# Altium PCB PCB1-nano-withlogo-SMT.PcbDoc (part 2 of 5) (continued)
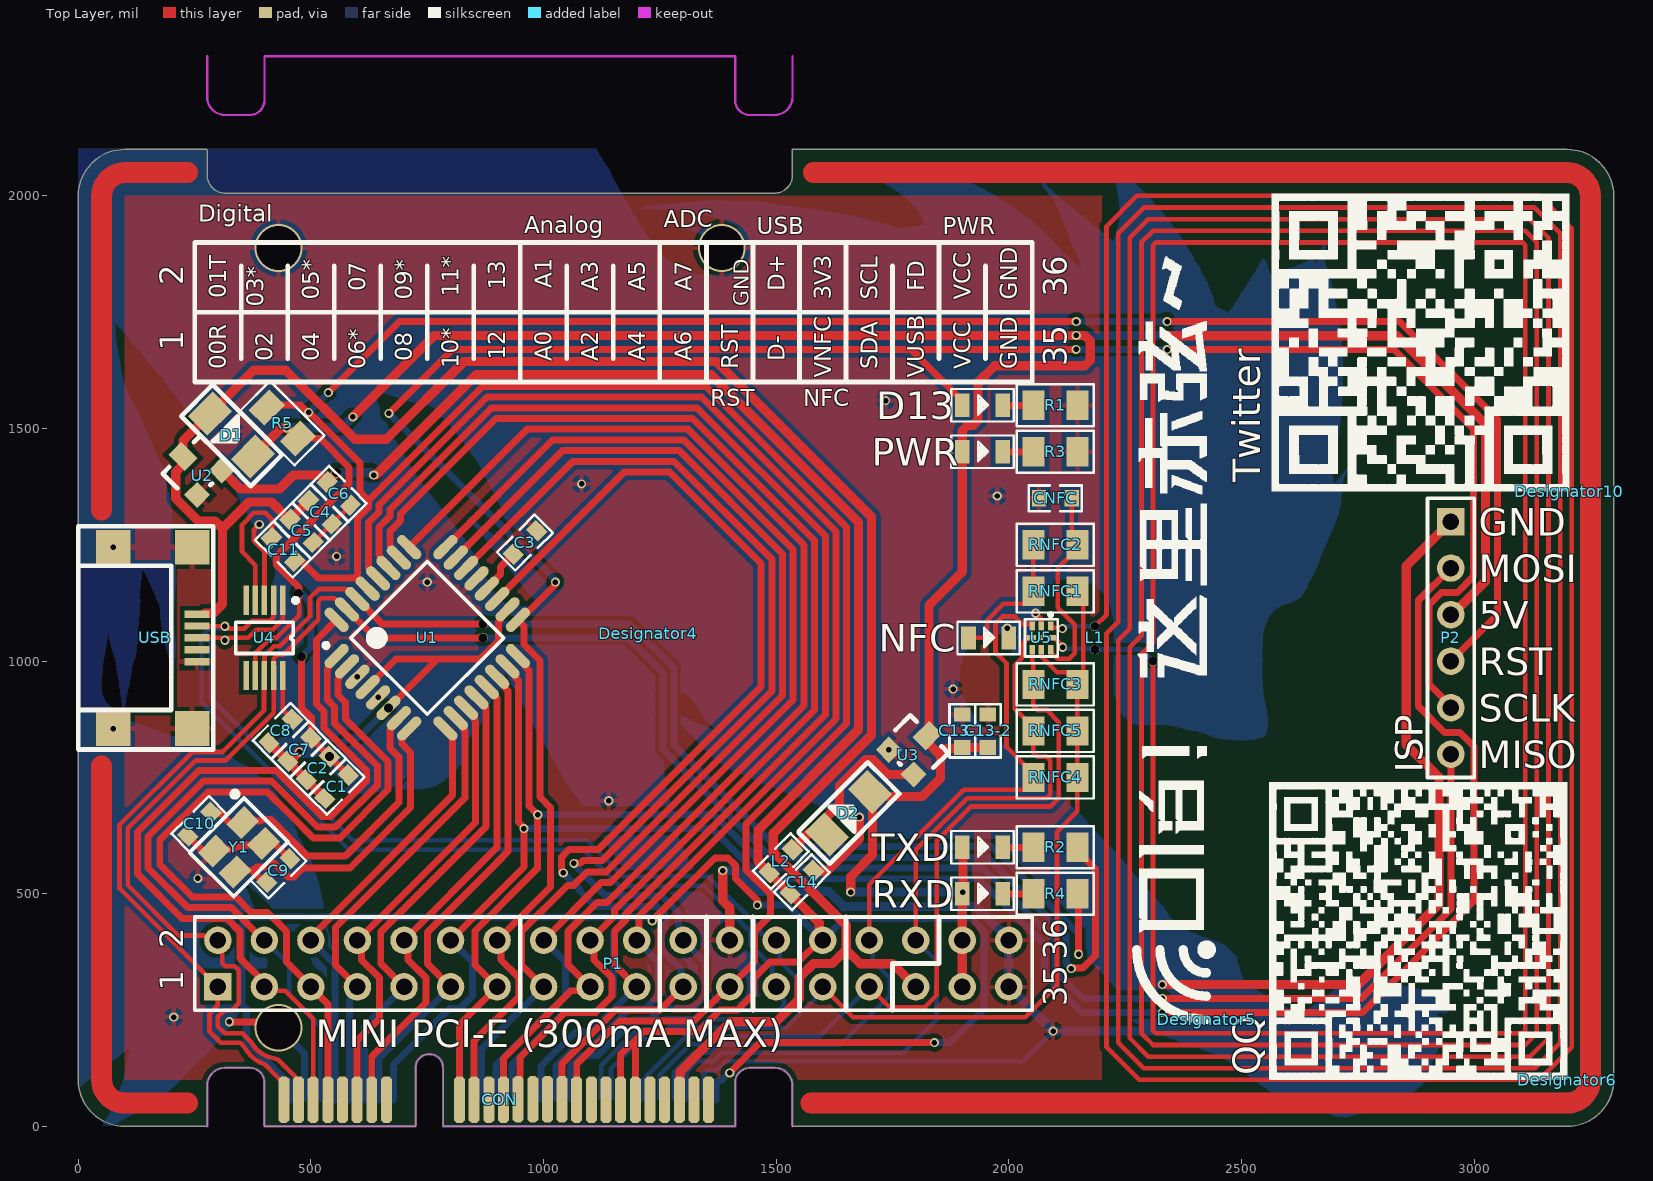
[diagram p0: Top Layer view]
## Nets (pads, with @x,y where several pads share a name; then routed paths per layer and width w, separated by ;. In a path a pad name is that pad's centre, name@x,y a point inside that pad or via, vN(x,y) a via of type N, cw(c..) or ccw(c..) an arc to the next point about the centre after c; other vN are vias at no path point) (continued)
 ; 0,1310 202,1310 ; 0,1311 202,1311 ; 0,1312 202,1312 ; 0,1313 201,1313 ; 0,1314 201,1314 ; 0,1315 201,1315 ; 0,1316 201,1316 ; 0,1317 201,1317 ; 0,1318 201,1318 ; 0,1319 201,1319 ; 0,1320 201,1320 ; 0,1321 201,1321 ; 0,1322 201,1322 ; 0,1323 201,1323 ; 0,1324 201,1324 ; 0,1325 201,1325 ; 0,1326 201,1326 ; 0,1327 200,1327 ; 0,1328 200,1328 ; 0,1329 200,1329 ; 0,1330 200,1330 ; 0,1331 200,1331 ; 0,1332 200,1332 ; 0,1333 200,1333 ; 0,1334 199,1334 ; 0,1335 199,1335 ; 0,1336 199,1336 ; 0,1337 199,1337 ; 0,1338 199,1338 ; 0,1339 198,1339 ; 0,1340 198,1340 ; 0,1341 198,1341 ; 0,1342 198,1342 ; 0,1343 198,1343 ; 0,1344 197,1344 ; 0,1345 197,1345 ; 0,1346 197,1346 ; 0,1347 197,1347 ; 0,1348 197,1348 ; 0,1349 196,1349 ; 0,1350 196,1350 ; 0,1351 196,1351 ; 0,1352 196,1352 ; 0,1353 195,1353 ; 0,1354 195,1354 ; 0,1355 195,1355 ; 0,1356 195,1356 ; 0,1357 195,1357 ; 0,1358 194,1358 ; 0,1359 194,1359 ; 0,1360 194,1360 ; 0,1361 194,1361 ; 0,1362 193,1362 ; 0,1363 193,1363 ; 0,1364 193,1364 ; 0,1365 192,1365 ; 0,1366 192,1366 ; 0,1367 192,1367 ; 0,1368 192,1368 ; 0,1369 191,1369 ; 0,1370 191,1370 ; 0,1371 191,1371 ; 0,1372 191,1372 ; 0,1373 191,1373 ; 0,1374 190,1374 ; 0,1375 190,1375 ; 0,1376 190,1376 ; 0,1377 190,1377 ; 0,1378 190,1378 ; 0,1379 190,1379 ; 0,1380 189,1380 ; 0,1381 189,1381 ; 0,1382 189,1382 ; 0,1383 189,1383 ; 0,1384 189,1384 ; 0,1385 188,1385 ; 0,1386 188,1386 ; 0,1387 188,1387 ; 0,1388 188,1388 ; 0,1389 188,1389 ; 0,1390 187,1390 ; 0,1391 187,1391 ; 0,1392 187,1392 ; 0,1393 187,1393 ; 0,1394 187,1394 ; 0,1395 186,1395 ; 0,1396 186,1396 ; 0,1397 186,1397 ; 0,1398 186,1398 ; 0,1399 186,1399 ; 0,1400 185,1400 ; 0,1401 185,1401 ; 0,1402 185,1402 ; 0,1403 185,1403 ; 0,1404 184,1404 ; 0,1405 184,1405 ; 0,1406 184,1406 ; 0,1407 183,1407 ; 0,1408 183,1408 ; 0,1409 183,1409 ; 0,1410 183,1410 ; 0,1411 182,1411 ; 0,1412 182,1412 ; 0,1413 182,1413 ; 0,1414 181,1414 ; 0,1415 181,1415 ; 0,1416 181,1416 ; 0,1417 180,1417 ; 0,1418 180,1418 ; 0,1419 180,1419 ; 0,1420 179,1420 ; 0,1421 179,1421 ; 0,1422 178,1422 ; 0,1423 178,1423 ; 0,1424 178,1424 ; 0,1425 177,1425 ; 0,1426 177,1426 ; 0,1427 176,1427 ; 0,1428 176,1428 ; 0,1429 175,1429 ; 0,1430 175,1430 ; 0,1431 175,1431 ; 0,1432 174,1432 ; 0,1433 174,1433 ; 0,1434 173,1434 ; 0,1435 173,1435 ; 0,1436 172,1436 ; 0,1437 172,1437 ; 0,1438 171,1438 ; 0,1439 171,1439 ; 0,1440 170,1440 ; 0,1441 170,1441 ; 0,1442 169,1442 ; 0,1443 169,1443 ; 0,1444 168,1444 ; 0,1445 168,1445 ; 0,1446 168,1446 ; 0,1447 167,1447 ; 0,1448 167,1448 ; 0,1449 166,1449 ; 0,1450 166,1450 ; 0,1451 165,1451 ; 0,1452 165,1452 ; 0,1453 164,1453 ; 0,1454 164,1454 ; 0,1455 163,1455 ; 0,1456 163,1456 ; 0,1457 163,1457 ; 0,1458 162,1458 ; 0,1459 162,1459 ; 0,1460 161,1460 ; 0,1461 161,1461 ; 0,1462 160,1462 ; 0,1463 160,1463 ; 0,1464 160,1464 ; 0,1465 159,1465 ; 0,1466 159,1466 ; 0,1467 158,1467 ; 0,1468 158,1468 ; 0,1469 158,1469 ; 0,1470 157,1470 ; 0,1471 157,1471 ; 0,1472 156,1472 ; 0,1473 156,1473 ; 0,1474 155,1474 ; 0,1475 155,1475 ; 0,1476 155,1476 ; 0,1477 154,1477 ; 0,1478 154,1478 ; 0,1479 153,1479 ; 0,1480 153,1480 ; 0,1481 152,1481 ; 0,1482 152,1482 ; 0,1483 152,1483 ; 0,1484 151,1484 ; 0,1485 151,1485 ; 0,1486 150,1486 ; 0,1487 150,1487 ; 0,1488 149,1488 ; 0,1489 149,1489 ; 0,1490 149,1490 ; 0,1491 148,1491 ; 0,1492 148,1492 ; 0,1493 147,1493 ; 0,1494 147,1494 ; 0,1495 146,1495 ; 0,1496 146,1496 ; 0,1497 146,1497 ; 0,1498 145,1498 ; 0,1499 145,1499 ; 0,1500 144,1500 ; 0,1501 144,1501 ; 0,1502 143,1502 ; 0,1503 143,1503 ; 0,1504 142,1504 ; 0,1505 142,1505 ; 0,1506 141,1506 ; 0,1507 141,1507 ; 0,1508 141,1508 ; 0,1509 140,1509 ; 0,1510 140,1510 ; 0,1511 139,1511 ; 0,1512 139,1512 ; 0,1513 138,1513 ; 0,1514 138,1514 ; 0,1515 138,1515 ; 0,1516 137,1516 ; 0,1517 137,1517 ; 0,1518 136,1518 ; 0,1519 136,1519 ; 0,1520 135,1520 ; 0,1521 135,1521 ; 0,1522 135,1522 ; 0,1523 134,1523 ; 0,1524 134,1524 ; 0,1525 133,1525 ; 0,1526 133,1526 ; 0,1527 132,1527 ; 0,1528 132,1528 ; 0,1529 132,1529 ; 0,1530 131,1530 ; 0,1531 131,1531 ; 0,1532 130,1532 ; 0,1533 130,1533 ; 0,1534 129,1534 ; 0,1535 129,1535 ; 0,1536 128,1536 ; 0,1537 128,1537 ; 0,1538 127,1538 ; 0,1539 127,1539 ; 0,1540 126,1540 ; 0,1541 126,1541 ; 0,1542 125,1542 ; 0,1543 124,1543 ; 0,1544 124,1544 ; 0,1545 123,1545 ; 0,1546 123,1546 ; 0,1547 122,1547 ; 0,1548 122,1548 ; 0,1549 121,1549 ; 0,1550 121,1550 ; 0,1551 120,1551 ; 0,1552 119,1552 ; 0,1553 119,1553 ; 0,1554 118,1554 ; 0,1555 118,1555 ; 0,1556 117,1556 ; 0,1557 116,1557 ; 0,1558 116,1558 ; 0,1559 115,1559 ; 0,1560 115,1560 ; 0,1561 114,1561 ; 0,1562 114,1562 ; 0,1563 113,1563 ; 0,1564 112,1564 ; 0,1565 112,1565 ; 0,1566 111,1566 ; 0,1567 111,1567 ; 0,1568 110,1568 ; 0,1569 110,1569 ; 0,1570 109,1570 ; 0,1571 109,1571 ; 0,1572 108,1572 ; 0,1573 108,1573 ; 0,1574 107,1574 ; 0,1575 107,1575 ; 0,1576 106,1576 ; 0,1577 106,1577 ; 0,1578 106,1578 ; 0,1579 106,1579 ; 0,1580 105,1580 ; 0,1581 105,1581 ; 0,1582 104,1582 ; 0,1583 104,1583 ; 0,1584 103,1584 ; 0,1585 103,1585 ; 0,1586 103,1586 ; 0,1587 102,1587 ; 0,1588 102,1588 ; 0,1589 102,1589 ; 0,1590 101,1590 ; 0,1591 101,1591 ; 0,1592 100,1592 ; 0,1593 100,1593 ; 0,1594 100,1594 ; 0,1595 99,1595 ; 0,1596 99,1596 ; 0,1597 99,1597 ; 0,1598 98,1598 ; 0,1599 98,1599 ; 0,1600 98,1600 ; 0,1601 98,1601 ; 0,1602 97,1602 ; 0,1603 97,1603 ; 0,1604 96,1604 ; 0,1605 96,1605 ; 0,1606 96,1606 ; 0,1607 95,1607 ; 0,1608 95,1608 ; 0,1609 95,1609 ; 0,1610 95,1610 ; 0,1611 94,1611 ; 0,1612 94,1612 ; 0,1613 94,1613 ; 0,1614 94,1614 ; 0,1615 94,1615 ; 0,1616 93,1616 ; 0,1617 93,1617 ; 0,1618 93,1618 ; 0,1619 93,1619 ; 0,1620 93,1620 ; 0,1621 93,1621 ; 0,1622 93,1622 ; 0,1623 92,1623 ; 0,1624 92,1624 ; 0,1625 92,1625 ; 0,1626 92,1626 ; 0,1627 92,1627 ; 0,1628 91,1628 ; 0,1629 91,1629 ; 0,1630 91,1630 ; 0,1631 91,1631 ; 0,1632 91,1632 ; 0,1633 91,1633 ; 0,1634 90,1634 ; 0,1635 90,1635 ; 0,1636 90,1636 ; 0,1637 90,1637 ; 0,1638 90,1638 ; 0,1639 90,1639 ; 0,1640 90,1640 ; 0,1641 90,1641 ; 0,1642 89,1642 ; 0,1643 89,1643 ; 0,1644 89,1644 ; 0,1645 89,1645 ; 0,1646 89,1646 ; 0,1647 89,1647 ; 0,1648 88,1648 ; 0,1649 88,1649 ; 0,1650 88,1650 ; 0,1651 88,1651 ; 0,1652 88,1652 ; 0,1653 88,1653 ; 0,1654 88,1654 ; 0,1655 87,1655 ; 0,1656 87,1656 ; 0,1657 87,1657 ; 0,1658 87,1658 ; 0,1659 87,1659 ; 0,1660 86,1660 ; 0,1661 86,1661 ; 0,1662 86,1662 ; 0,1663 86,1663 ; 0,1664 86,1664 ; 0,1665 86,1665 ; 0,1666 85,1666 ; 0,1667 85,1667 ; 0,1668 85,1668 ; 0,1669 85,1669 ; 0,1670 85,1670 ; 0,1671 85,1671 ; 0,1672 84,1672 ; 0,1673 84,1673 ; 0,1674 84,1674 ; 0,1675 84,1675 ; 0,1676 84,1676 ; 0,1677 83,1677 ; 0,1678 83,1678 ; 0,1679 83,1679 ; 0,1680 83,1680 ; 0,1681 83,1681 ; 0,1682 82,1682 ; 0,1683 82,1683 ; 0,1684 82,1684 ; 0,1685 82,1685 ; 0,1686 82,1686 ; 0,1687 82,1687 ; 0,1688 82,1688 ; 0,1689 81,1689 ; 0,1690 81,1690 ; 0,1691 81,1691 ; 0,1692 81,1692 ; 0,1693 81,1693 ; 0,1694 81,1694 ; 0,1695 81,1695 ; 0,1696 80,1696 ; 0,1697 80,1697 ; 0,1698 80,1698 ; 0,1699 80,1699 ; 0,1700 80,1700 ; 0,1701 80,1701 ; 0,1702 80,1702 ; 0,1703 80,1703 ; 0,1704 80,1704 ; 0,1705 80,1705 ; 0,1706 80,1706 ; 0,1707 79,1707 ; 0,1708 79,1708 ; 0,1709 79,1709 ; 0,1710 79,1710 ; 0,1711 79,1711 ; 0,1712 79,1712 ; 0,1713 79,1713 ; 0,1714 79,1714 ; 0,1715 79,1715 ; 0,1716 79,1716 ; 0,1717 79,1717 ; 0,1718 79,1718 ; 0,1719 79,1719 ; 0,1720 79,1720 ; 0,1721 78,1721 ; 0,1722 78,1722 ; 0,1723 78,1723 ; 0,1724 78,1724 ; 0,1725 78,1725 ; 0,1726 79,1726 ; 0,1727 79,1727 ; 0,1728 2125,1728 ; 0,1729 2125,1729 ; 0,1730 2125,1730 ; 0,1731 2125,1731 ; 0,1732 2125,1732 ; 0,1733 2125,1733 ; 0,1734 2125,1734 ; 0,1735 2125,1735 ; 0,1736 2125,1736 ; 0,1737 2125,1737 ; 0,1738 2125,1738 ; 0,1739 2126,1739 ; 0,1740 2126,1740 ; 0,1741 2126,1741 ; 0,1742 2127,1742 ; 0,1743 2128,1743 ; 0,1744 2128,1744 ; 0,1745 2129,1745 ; 0,1746 2130,1746 ; 0,1747 2131,1747 ; 0,1748 2132,1748 ; 0,1749 2133,1749 ; 0,1750 2135,1750 ; 0,1751 2138,1751 ; 0,1752 2465,1752 ; 0,1753 2463,1753 ; 0,1754 2461,1754 ; 0,1755 2459,1755 ; 0,1756 2458,1756 ; 0,1757 2456,1757 ; 0,1758 2454,1758 ; 0,1759 2452,1759 ; 0,1760 2451,1760 ; 0,1761 2449,1761 ; 0,1762 2447,1762 ; 0,1763 2446,1763 ; 0,1764 2444,1764 ; 0,1765 2444,1765 ; 0,1766 2443,1766 ; 0,1767 2443,1767 ; 0,1768 2443,1768 ; 0,1769 2442,1769 ; 0,1770 2442,1770 ; 0,1771 2442,1771 ; 0,1772 2441,1772 ; 0,1773 2441,1773 ; 0,1774 2441,1774 ; 0,1775 2440,1775 ; 0,1776 2440,1776 ; 0,1777 2440,1777 ; 0,1778 2439,1778 ; 0,1779 2439,1779 ; 0,1780 2439,1780 ; 0,1781 2439,1781 ; 0,1782 2438,1782 ; 0,1783 2438,1783 ; 0,1784 2438,1784 ; 0,1785 2438,1785 ; 0,1786 2437,1786 ; 0,1787 2437,1787 ; 0,1788 2436,1788 ; 0,1789 2436,1789 ; 0,1790 2436,1790 ; 0,1791 2435,1791 ; 0,1792 2435,1792 ; 0,1793 2435,1793 ; 0,1794 2434,1794 ; 0,1795 2434,1795 ; 0,1796 2434,1796 ; 0,1797 2433,1797 ; 0,1798 2433,1798 ; 0,1799 2432,1799 ; 0,1800 2432,1800 ; 0,1801 2431,1801 ; 0,1802 2431,1802 ; 0,1803 2431,1803 ; 0,1804 2430,1804 ; 0,1805 2430,1805 ; 0,1806 2430,1806 ; 0,1807 2429,1807 ; 0,1808 2429,1808 ; 0,1809 2429,1809 ; 0,1810 2428,1810 ; 0,1811 2428,1811 ; 0,1812 2427,1812 ; 0,1813 2427,1813 ; 0,1814 2427,1814 ; 0,1815 2426,1815 ; 0,1816 2425,1816 ; 0,1817 2425,1817 ; 0,1818 2424,1818 ; 0,1819 2424,1819 ; 0,1820 2423,1820 ; 0,1821 2422,1821 ; 0,1822 2422,1822 ; 0,1823 2421,1823 ; 0,1824 2421,1824 ; 0,1825 2420,1825 ; 0,1826 2420,1826 ; 0,1827 2419,1827 ; 0,1828 2418,1828 ; 0,1829 2418,1829 ; 0,1830 2417,1830 ; 0,1831 2417,1831 ; 0,1832 1338,1832 ; 0,1833 1328,1833 ; 0,1834 1322,1834 ; 0,1835 1318,1835 ; 0,1836 1315,1836 ; 0,1837 1312,1837 ; 0,1838 1310,1838 ; 0,1839 1307,1839 ; 0,1840 1305,1840 ; 0,1841 1303,1841 ; 0,1842 1301,1842 ; 0,1843 1299,1843 ; 0,1844 1297,1844 ; 0,1845 1295,1845 ; 0,1846 1293,1846 ; 0,1847 1291,1847 ; 0,1848 1289,1848 ; 0,1849 1287,1849 ; 0,1850 1286,1850 ; 0,1851 1284,1851 ; 0,1852 1282,1852 ; 0,1853 1280,1853 ; 0,1854 1279,1854 ; 0,1855 1277,1855 ; 0,1856 1276,1856 ; 0,1857 1274,1857 ; 0,1858 1273,1858 ; 0,1859 1272,1859 ; 0,1860 1270,1860 ; 0,1861 1269,1861 ; 0,1862 1267,1862 ; 0,1863 1266,1863 ; 0,1864 1265,1864 ; 0,1865 1263,1865 ; 0,1866 1262,1866 ; 0,1867 1261,1867 ; 0,1868 1260,1868 ; 0,1869 1259,1869 ; 0,1870 1258,1870 ; 0,1871 1257,1871 ; 0,1872 1256,1872 ; 0,1873 1255,1873 ; 0,1874 1255,1874 ; 0,1875 1254,1875 ; 0,1876 1253,1876 ; 0,1877 1252,1877 ; 0,1878 1252,1878 ; 0,1879 1251,1879 ; 0,1880 1250,1880 ; 0,1881 1250,1881 ; 0,1882 1249,1882 ; 0,1883 1248,1883 ; 0,1884 1248,1884 ; 0,1885 1247,1885 ; 0,1886 1246,1886 ; 0,1887 1245,1887 ; 0,1888 1244,1888 ; 0,1889 1243,1889 ; 0,1890 1242,1890 ; 0,1891 1241,1891 ; 0,1892 1240,1892 ; 0,1893 1239,1893 ; 0,1894 1238,1894 ; 0,1895 1237,1895 ; 0,1896 1236,1896 ; 0,1897 1236,1897 ; 0,1898 1235,1898 ; 0,1899 1234,1899 ; 0,1900 1233,1900 ; 0,1901 1233,1901 ; 0,1902 1232,1902 ; 0,1903 1231,1903 ; 0,1904 1230,1904 ; 0,1905 1229,1905 ; 0,1906 1228,1906 ; 0,1907 1228,1907 ; 0,1908 1227,1908 ; 0,1909 1226,1909 ; 0,1910 1226,1910 ; 0,1911 1225,1911 ; 0,1912 1224,1912 ; 0,1913 1224,1913 ; 0,1914 1223,1914 ; 0,1915 1222,1915 ; 0,1916 1221,1916 ; 0,1917 1221,1917 ; 0,1918 1220,1918 ; 0,1919 1220,1919 ; 0,1920 1219,1920 ; 0,1921 1218,1921 ; 0,1922 1218,1922 ; 0,1923 1217,1923 ; 0,1924 1217,1924 ; 0,1925 1216,1925 ; 0,1926 1215,1926 ; 0,1927 1215,1927 ; 0,1928 1214,1928 ; 0,1929 1214,1929 ; 0,1930 1213,1930 ; 0,1931 1212,1931 ; 0,1932 1211,1932 ; 0,1933 1211,1933 ; 0,1934 1210,1934 ; 0,1935 1209,1935 ; 0,1936 1208,1936 ; 0,1937 1208,1937 ; 0,1938 1207,1938 ; 0,1939 1207,1939 ; 0,1940 1206,1940 ; 0,1941 1205,1941 ; 0,1942 1205,1942 ; 0,1943 1204,1943 ; 0,1944 1203,1944 ; 0,1945 1203,1945 ; 0,1946 1202,1946 ; 0,1947 1202,1947 ; 0,1948 1201,1948 ; 0,1949 1200,1949 ; 0,1950 1200,1950 ; 0,1951 1199,1951 ; 0,1952 1198,1952 ; 0,1953 1198,1953 ; 0,1954 1197,1954 ; 0,1955 1196,1955 ; 0,1956 1196,1956 ; 0,1957 1195,1957 ; 0,1958 1194,1958 ; 0,1959 1194,1959 ; 0,1960 1193,1960 ; 0,1961 1192,1961 ; 0,1962 1192,1962 ; 0,1963 1191,1963 ; 0,1964 1191,1964 ; 0,1965 1190,1965 ; 0,1966 1190,1966 ; 0,1967 1189,1967 ; 0,1968 1189,1968 ; 0,1969 1188,1969 ; 0,1970 1188,1970 ; 0,1971 1187,1971 ; 0,1972 1187,1972 ; 0,1973 1186,1973 ; 0,1974 1186,1974 ; 0,1975 1185,1975 ; 0,1976 1185,1976 ; 0,1977 1184,1977 ; 0,1978 1184,1978 ; 0,1979 1183,1979 ; 0,1980 1183,1980 ; 0,1981 1182,1981 ; 0,1982 1182,1982 ; 0,1983 1181,1983 ; 0,1984 1180,1984 ; 0,1985 1180,1985 ; 0,1986 1179,1986 ; 0,1987 1179,1987 ; 0,1988 1178,1988 ; 0,1989 1177,1989 ; 0,1990 1177,1990 ; 0,1991 1176,1991 ; 0,1992 1175,1992 ; 0,1993 1175,1993 ; 0,1994 1174,1994 ; 0,1995 1174,1995 ; 0,1996 1173,1996 ; 0,1997 1173,1997 ; 0,1998 1172,1998 ; 0,1999 1172,1999 ; 0,2000 1171,2000 ; 0,2001 1170,2001 ; 0,2002 1170,2002 ; 0,2003 1169,2003 ; 0,2004 1169,2004 ; 0,2005 1168,2005 ; 0,2006 1167,2006 ; 0,2007 1167,2007 ; 0,2008 1166,2008 ; 0,2009 1165,2009 ; 0,2010 1165,2010 ; 0,2011 1164,2011 ; 0,2012 1164,2012 ; 0,2013 1163,2013 ; 0,2014 1162,2014 ; 0,2015 1162,2015 ; 0,2016 1161,2016 ; 0,2017 1161,2017 ; 0,2018 1160,2018 ; 0,2019 1160,2019 ; 0,2020 1159,2020 ; 0,2021 1159,2021 ; 0,2022 1158,2022 ; 0,2023 1157,2023 ; 0,2024 1157,2024 ; 0,2025 1156,2025 ; 0,2026 1156,2026 ; 0,2027 1155,2027 ; 0,2028 1155,2028 ; 0,2029 1154,2029 ; 0,2030 1153,2030 ; 0,2031 1153,2031 ; 0,2032 1152,2032 ; 0,2033 1152,2033 ; 0,2034 1151,2034 ; 0,2035 1151,2035 ; 0,2036 1150,2036 ; 0,2037 1150,2037 ; 0,2038 1149,2038 ; 0,2039 1149,2039 ; 0,2040 1148,2040 ; 0,2041 1148,2041 ; 0,2042 1147,2042 ; 0,2043 1146,2043 ; 0,2044 1146,2044 ; 0,2045 1145,2045 ; 0,2046 1145,2046 ; 0,2047 1145,2047 ; 0,2048 1144,2048 ; 0,2049 1144,2049 ; 0,2050 1143,2050 ; 0,2051 1143,2051 ; 0,2052 1143,2052 ; 0,2053 1143,2053 ; 0,2054 1142,2054 ; 0,2055 1142,2055 ; 0,2056 1141,2056 ; 0,2057 1140,2057 ; 0,2058 1140,2058 ; 0,2059 1139,2059 ; 0,2060 1138,2060 ; 0,2061 1138,2061 ; 0,2062 1137,2062 ; 0,2063 1137,2063 ; 0,2064 1136,2064 ; 0,2065 1135,2065 ; 0,2066 1135,2066 ; 0,2067 1134,2067 ; 0,2068 1133,2068 ; 0,2069 1133,2069 ; 0,2070 1132,2070 ; 0,2071 1131,2071 ; 0,2072 1131,2072 ; 0,2073 1130,2073 ; 0,2074 1129,2074 ; 0,2075 1129,2075 ; 0,2076 1128,2076 ; 0,2077 1127,2077 ; 0,2078 1127,2078 ; 0,2079 1126,2079 ; 0,2080 1126,2080 ; 0,2081 1125,2081 ; 0,2082 1124,2082 ; 0,2083 1124,2083 ; 0,2084 1123,2084 ; 0,2085 1122,2085 ; 0,2086 1122,2086 ; 0,2087 1121,2087 ; 0,2088 1120,2088 ; 0,2089 1120,2089 ; 0,2090 1119,2090 ; 0,2091 1119,2091 ; 0,2092 1118,2092 ; 0,2093 1117,2093 ; 0,2094 1117,2094 ; 0,2095 1116,2095 ; 0,2096 1116,2096 ; 0,2097 1115,2097 ; 0,2098 1115,2098 ; 0,2099 1115,2099 ; 0,2100 1114,2100 ; 0,2101 1114,2101 ; 52,2 74,2 ; 53,3 75,3 ; 53,4 77,4 ; 54,5 78,5 ; 54,6 80,6 ; 55,7 82,7 ; 55,8 84,8 ; 56,9 85,9 ; 56,10 87,10 ; 57,11 88,11 ; 58,12 90,12 ; 58,13 92,13 ; 59,14 93,14 ; 59,15 95,15 ; 60,16 97,16 ; 61,17 99,17 ; 61,18 100,18 ; 62,19 102,19 ; 62,20 104,20 ; 63,21 106,21 ; 64,22 108,22 ; 64,23 109,23 ; 65,24 111,24 ; 65,25 113,25 ; 65,1057 128,1057 ; 66,26 116,26 ; 66,1053 128,1053 ; 66,1054 128,1054 ; 66,1055 128,1055 ; 66,1056 128,1056 ; 67,27 118,27 ; 67,28 120,28 ; 67,1050 128,1050 ; 67,1051 128,1051 ; 67,1052 128,1052 ; 68,29 122,29 ; 68,30 124,30 ; 68,1046 127,1046 ; 68,1047 128,1047 ; 68,1048 128,1048 ; 68,1049 128,1049 ; 69,31 126,31 ; 69,1042 127,1042 ; 69,1043 127,1043 ; 69,1044 127,1044 ; 69,1045 127,1045 ; 70,32 129,32 ; 70,33 131,33 ; 70,1037 127,1037 ; 70,1038 127,1038 ; 70,1039 127,1039 ; 70,1040 127,1040 ; 70,1041 127,1041 ; 71,34 133,34 ; 71,35 135,35 ; 71,1033 126,1033 ; 71,1034 126,1034 ; 71,1035 126,1035 ; 71,1036 126,1036 ; 72,36 137,36 ; 72,37 139,37 ; 72,1029 126,1029 ; 72,1030 126,1030 ; 72,1031 126,1031 ; 72,1032 126,1032 ; 73,38 141,38 ; 73,39 142,39 ; 73,1025 125,1025 ; 73,1026 125,1026 ; 73,1027 125,1027 ; 73,1028 126,1028 ; 74,40 144,40 ; 74,41 145,41 ; 74,1021 124,1021 ; 74,1022 124,1022 ; 74,1023 125,1023 ; 74,1024 125,1024 ; 75,42 147,42 ; 75,43 148,43 ; 75,1018 123,1018 ; 75,1019 124,1019 ; 75,1020 124,1020 ; 76,44 149,44 ; 76,45 151,45 ; 76,1015 123,1015 ; 76,1016 123,1016 ; 76,1017 123,1017 ; 77,46 152,46 ; 77,47 153,47 ; 77,48 155,48 ; 77,1012 122,1012 ; 77,1013 122,1013 ; 77,1014 122,1014 ; 78,49 156,49 ; 78,50 157,50 ; 78,1008 121,1008 ; 78,1009 121,1009 ; 78,1010 122,1010 ; 78,1011 122,1011 ; 79,51 159,51 ; 79,52 160,52 ; 79,53 161,53 ; 79,1004 120,1004 ; 79,1005 120,1005 ; 79,1006 120,1006 ; 79,1007 121,1007 ; 80,54 163,54 ; 80,55 164,55 ; 80,56 165,56 ; 80,1000 118,1000 ; 80,1001 119,1001 ; 80,1002 119,1002 ; 80,1003 119,1003 ; 80,1727 2125,1727 ; 81,57 167,57 ; 81,58 168,58 ; 81,59 169,59 ; 81,996 117,996 ; 81,997 117,997 ; 81,998 118,998 ; 81,999 118,999 ; 81,1726 2126,1726 ; 82,60 171,60 ; 82,61 172,61 ; 82,62 174,62 ; 82,990 116,990 ; 82,991 116,991 ; 82,992 116,992 ; 82,993 116,993 ; 82,994 116,994 ; 82,995 117,995 ; 82,1725 2126,1725 ; 83,63 175,63 ; 83,64 177,64 ; 83,65 178,65 ; 83,982 115,982 ; 83,983 115,983 ; 83,984 115,984 ; 83,985 115,985 ; 83,986 115,986 ; 83,987 115,987 ; 83,988 115,988 ; 83,989 116,989 ; 83,1724 2126,1724 ; 84,66 179,66 ; 84,67 181,67 ; 84,976 114,976 ; 84,977 114,977 ; 84,978 114,978 ; 84,979 114,979 ; 84,980 115,980 ; 84,981 115,981 ; 84,1723 2127,1723 ; 85,68 182,68 ; 85,69 184,69 ; 85,70 185,70 ; 85,971 113,971 ; 85,972 113,972 ; 85,973 114,973 ; 85,974 114,974 ; 85,975 114,975 ; 85,1722 2127,1722 ; 86,71 187,71 ; 86,72 188,72 ; 86,965 112,965 ; 86,966 112,966 ; 86,967 113,967 ; 86,968 113,968 ; 86,969 113,969 ; 86,970 113,970 ; 86,1721 2128,1721 ; 87,73 189,73 ; 87,74 191,74 ; 87,75 192,75 ; 87,960 111,960 ; 87,961 111,961 ; 87,962 112,962 ; 87,963 112,963 ; 87,964 112,964 ; 87,1720 2129,1720 ; 88,76 193,76 ; 88,77 195,77 ; 88,78 196,78 ; 88,949 108,949 ; 88,950 109,950 ; 88,951 109,951 ; 88,952 109,952 ; 88,953 109,953 ; 88,954 110,954 ; 88,955 110,955 ; 88,956 110,956 ; 88,957 110,957 ; 88,958 111,958 ; 88,959 111,959 ; 88,1719 2130,1719 ; 89,79 197,79 ; 89,80 198,80 ; 89,81 199,81 ; 89,942 107,942 ; 89,943 107,943 ; 89,944 107,944 ; 89,945 107,945 ; 89,946 108,946 ; 89,947 108,947 ; 89,948 108,948 ; 89,1718 2131,1718 ; 90,82 201,82 ; 90,83 202,83 ; 90,84 203,84 ; 90,935 105,935 ; 90,936 105,936 ; 90,937 105,937 ; 90,938 105,938 ; 90,939 106,939 ; 90,940 106,940 ; 90,941 106,941 ; 90,1717 2131,1717 ; 91,85 204,85 ; 91,86 205,86 ; 91,87 206,87 ; 91,926 104,926 ; 91,927 104,927 ; 91,928 104,928 ; 91,929 104,929 ; 91,930 104,930 ; 91,931 105,931 ; 91,932 105,932 ; 91,933 105,933 ; 91,934 105,934 ; 91,1716 2130,1716 ; 92,88 207,88 ; 92,89 208,89 ; 92,923 103,923 ; 92,924 103,924 ; 92,925 104,925 ; 92,1714 2128,1714 ; 92,1715 2129,1715 ; 93,90 209,90 ; 93,91 210,91 ; 93,911 102,911 ; 93,912 102,912 ; 93,913 102,913 ; 93,914 102,914 ; 93,915 102,915 ; 93,916 102,916 ; 93,917 102,917 ; 93,918 102,918 ; 93,919 102,919 ; 93,920 102,920 ; 93,921 103,921 ; 93,922 103,922 ; 93,1713 2127,1713 ; 94,92 211,92 ; 94,93 212,93 ; 94,902 98,902 ; 94,903 98,903 ; 94,904 99,904 ; 94,905 100,905 ; 94,906 101,906 ; 94,907 101,907 ; 94,908 101,908 ; 94,909 102,909 ; 94,910 102,910 ; 94,1712 2127,1712 ; 95,94 213,94 ; 95,95 215,95 ; 95,96 216,96 ; 95,900 98,900 ; 95,901 98,901 ; 95,1711 2126,1711 ; 96,97 217,97 ; 96,98 218,98 ; 96,899 98,899 ; 96,1710 2126,1710 ; 97,99 218,99 ; 97,100 219,100 ; 97,101 220,101 ; 97,102 221,102 ; 97,1709 2126,1709 ; 98,103 222,103 ; 98,104 223,104 ; 98,105 224,105 ; 98,106 225,106 ; 98,1708 2125,1708 ; 99,107 226,107 ; 99,108 227,108 ; 99,109 228,109 ; 99,110 228,110 ; 99,111 229,111 ; 99,1707 2125,1707 ; 100,112 230,112 ; 100,113 231,113 ; 100,114 232,114 ; 100,115 233,115 ; 100,116 234,116 ; 100,1706 2125,1706 ; 101,117 235,117 ; 101,118 236,118 ; 101,119 236,119 ; 101,120 237,120 ; 101,121 238,121 ; 101,1704 2125,1704 ; 101,1705 2125,1705 ; 102,122 239,122 ; 102,123 240,123 ; 102,124 241,124 ; 102,125 242,125 ; 102,1703 2125,1703 ; 103,126 243,126 ; 103,127 244,127 ; 103,128 245,128 ; 103,129 246,129 ; 103,130 247,130 ; 103,1702 2125,1702 ; 104,131 248,131 ; 104,132 249,132 ; 104,133 250,133 ; 104,134 251,134 ; 104,135 253,135 ; 104,1701 2125,1701 ; 105,136 254,136 ; 105,137 255,137 ; 105,138 256,138 ; 105,139 257,139 ; 105,140 258,140 ; 105,1699 2125,1699 ; 105,1700 2125,1700 ; 106,141 259,141 ; 106,142 261,142 ; 106,143 262,143 ; 106,144 263,144 ; 106,145 264,145 ; 106,1698 2125,1698 ; 107,146 265,146 ; 107,147 266,147 ; 107,148 267,148 ; 107,149 268,149 ; 107,150 269,150 ; 107,1697 2125,1697 ; 108,151 271,151 ; 108,152 272,152 ; 108,153 273,153 ; 108,154 274,154 ; 108,155 275,155 ; 108,1695 2126,1695 ; 108,1696 2125,1696 ; 109,156 276,156 ; 109,157 276,157 ; 109,158 277,158 ; 109,159 278,159 ; 109,160 279,160 ; 109,1694 2126,1694 ; 110,161 280,161 ; 110,162 281,162 ; 110,163 282,163 ; 110,164 283,164 ; 110,1693 2127,1693 ; 111,165 284,165 ; 111,166 285,166 ; 111,167 286,167 ; 111,168 286,168 ; 111,1692 2127,1692 ; 112,169 287,169 ; 112,170 288,170 ; 112,1691 2128,1691 ; 113,1689 2129,1689 ; 113,1690 2128,1690 ; 114,1688 2130,1688 ; 115,1687 2131,1687 ; 116,1685 2129,1685 ; 116,1686 2130,1686 ; 117,1684 2128,1684 ; 118,1683 2127,1683 ; 119,1682 2126,1682 ; 120,1681 2126,1681 ; 121,1680 2126,1680 ; 122,1678 2125,1678 ; 122,1679 2125,1679 ; 123,1677 2125,1677 ; 124,1676 2125,1676 ; 125,1675 2125,1675 ; 126,1674 2125,1674 ; 127,1673 2125,1673 ; 128,1671 2125,1671 ; 128,1672 2125,1672 ; 129,1670 2125,1670 ; 130,1669 2125,1669 ; 131,1668 2125,1668 ; 132,1667 2125,1667 ; 133,1665 2125,1665 ; 133,1666 2125,1666 ; 134,1664 2125,1664 ; 135,1663 2126,1663 ; 136,1662 2126,1662 ; 137,1661 2127,1661 ; 138,1659 2129,1659 ; 138,1660 2128,1660 ; 139,1658 2130,1658 ; 140,1197 209,1197 ; 140,1657 2131,1657 ; 141,1195 209,1195 ; 141,1196 209,1196 ; 141,1656 2132,1656 ; 142,1193 209,1193 ; 142,1194 209,1194 ; 142,1654 2135,1654 ; 142,1655 2133,1655 ; 143,1191 209,1191 ; 143,1192 209,1192 ; 143,1653 2334,1653 ; 144,1189 209,1189 ; 144,1190 209,1190 ; 144,1652 2718,1652 ; 145,1187 209,1187 ; 145,1188 209,1188 ; 145,1651 2718,1651 ; 146,1185 209,1185 ; 146,1186 209,1186 ; 146,1650 2718,1650 ; 147,1183 209,1183 ; 147,1184 209,1184 ; 147,1648 2718,1648 ; 147,1649 2718,1649 ; 148,1181 210,1181 ; 148,1182 210,1182 ; 148,1647 2718,1647 ; 149,1179 210,1179 ; 149,1180 210,1180 ; 149,1646 2718,1646 ; 150,1177 210,1177 ; 150,1178 210,1178 ; 150,1645 2718,1645 ; 151,1174 210,1174 ; 151,1175 210,1175 ; 151,1176 210,1176 ; 151,1644 2718,1644 ; 152,1172 210,1172 ; 152,1173 210,1173 ; 152,1642 2718,1642 ; 152,1643 2718,1643 ; 153,1170 209,1170 ; 153,1171 210,1171 ; 153,1641 2718,1641 ; 154,1168 209,1168 ; 154,1169 209,1169 ; 154,1640 2718,1640 ; 155,1166 209,1166 ; 155,1167 209,1167 ; 155,1639 2718,1639 ; 156,1164 209,1164 ; 156,1165 209,1165 ; 156,1638 2718,1638 ; 157,1161 209,1161 ; 157,1162 209,1162 ; 157,1163 209,1163 ; 157,1636 2718,1636 ; 157,1637 2718,1637 ; 158,1159 209,1159 ; 158,1160 209,1160 ; 158,1635 2718,1635 ; 159,1157 208,1157 ; 159,1158 209,1158 ; 159,1634 2719,1634 ; 160,1154 208,1154 ; 160,1155 208,1155 ; 160,1156 208,1156 ; 160,1633 2719,1633 ; 161,1152 208,1152 ; 161,1153 208,1153 ; 161,1632 2719,1632 ; 162,1149 208,1149 ; 162,1150 208,1150 ; 162,1151 208,1151 ; 162,1630 2719,1630 ; 162,1631 2719,1631 ; 163,1147 208,1147 ; 163,1148 208,1148 ; 163,1629 2719,1629 ; 164,1145 208,1145 ; 164,1146 208,1146 ; 164,1628 2719,1628 ; 165,1143 208,1143 ; 165,1144 208,1144 ; 165,1627 2719,1627 ; 166,1140 207,1140 ; 166,1141 208,1141 ; 166,1142 208,1142 ; 166,1625 2719,1625 ; 166,1626 2719,1626 ; 167,1138 207,1138 ; 167,1139 207,1139 ; 167,1624 2719,1624 ; 168,1135 207,1135 ; 168,1136 207,1136 ; 168,1137 207,1137 ; 168,1623 2719,1623 ; 169,1133 207,1133 ; 169,1134 207,1134 ; 169,1622 2718,1622 ; 170,1131 207,1131 ; 170,1132 207,1132 ; 170,1621 2718,1621 ; 171,1129 207,1129 ; 171,1130 207,1130 ; 171,1620 2718,1620 ; 172,1127 207,1127 ; 172,1128 207,1128 ; 172,1619 2718,1619 ; 173,1124 207,1124 ; 173,1125 207,1125 ; 173,1126 207,1126 ; 173,1617 2718,1617 ; 173,1618 2718,1618 ; 174,1121 206,1121 ; 174,1122 206,1122 ; 174,1123 206,1123 ; 174,1616 2718,1616 ; 175,1117 206,1117 ; 175,1118 206,1118 ; 175,1119 206,1119 ; 175,1120 206,1120 ; 175,1615 2718,1615 ; 176,1102 205,1102 ; 176,1103 205,1103 ; 176,1104 205,1104 ; 176,1105 205,1105 ; 176,1106 205,1106 ; 176,1107 205,1107 ; 176,1108 206,1108 ; 176,1109 206,1109 ; 176,1110 206,1110 ; 176,1111 206,1111 ; 176,1112 206,1112 ; 176,1113 206,1113 ; 176,1114 206,1114 ; 176,1115 206,1115 ; 176,1116 206,1116 ; 176,1613 2718,1613 ; 176,1614 2718,1614 ; 177,1090 205,1090 ; 177,1091 205,1091 ; 177,1092 205,1092 ; 177,1093 205,1093 ; 177,1094 205,1094 ; 177,1095 205,1095 ; 177,1096 205,1096 ; 177,1097 205,1097 ; 177,1098 205,1098 ; 177,1099 205,1099 ; 177,1100 205,1100 ; 177,1101 205,1101 ; 177,1612 2718,1612 ; 178,1081 205,1081 ; 178,1082 205,1082 ; 178,1083 205,1083 ; 178,1084 205,1084 ; 178,1085 205,1085 ; 178,1086 205,1086 ; 178,1087 205,1087 ; 178,1088 205,1088 ; 178,1089 205,1089 ; 178,1611 2718,1611 ; 179,1075 206,1075 ; 179,1076 205,1076 ; 179,1077 205,1077 ; 179,1078 205,1078 ; 179,1079 205,1079 ; 179,1080 205,1080 ; 179,1610 2718,1610 ; 180,1070 206,1070 ; 180,1071 206,1071 ; 180,1072 206,1072 ; 180,1073 206,1073 ; 180,1074 206,1074 ; 180,1608 2718,1608 ; 180,1609 2718,1609 ; 181,1066 206,1066 ; 181,1067 206,1067 ; 181,1068 206,1068 ; 181,1069 206,1069 ; 181,1607 2718,1607 ; 182,1061 207,1061 ; 182,1062 206,1062 ; 182,1063 206,1063 ; 182,1064 206,1064 ; 182,1065 206,1065 ; 182,1606 2717,1606 ; 183,1057 207,1057 ; 183,1058 207,1058 ; 183,1059 207,1059 ; 183,1060 207,1060 ; 183,1605 2717,1605 ; 184,1051 208,1051 ; 184,1052 208,1052 ; 184,1053 208,1053 ; 184,1054 208,1054 ; 184,1055 207,1055 ; 184,1056 207,1056 ; 184,1603 2717,1603 ; 184,1604 2717,1604 ; 185,1046 208,1046 ; 185,1047 208,1047 ; 185,1048 208,1048 ; 185,1049 208,1049 ; 185,1050 208,1050 ; 185,1602 2717,1602 ; 186,1041 208,1041 ; 186,1042 208,1042 ; 186,1043 208,1043 ; 186,1044 208,1044 ; 186,1045 208,1045 ; 186,1601 2717,1601 ; 187,1036 209,1036 ; 187,1037 209,1037 ; 187,1038 209,1038 ; 187,1039 209,1039 ; 187,1040 208,1040 ; 187,1600 2717,1600 ; 188,1032 209,1032 ; 188,1033 209,1033 ; 188,1034 209,1034 ; 188,1035 209,1035 ; 188,1598 529,1598 ; 188,1599 2718,1599 ; 189,1029 209,1029 ; 189,1030 209,1030 ; 189,1031 209,1031 ; 189,1597 527,1597 ; 190,1026 209,1026 ; 190,1027 209,1027 ; 190,1028 209,1028 ; 190,1596 525,1596 ; 191,1022 209,1022 ; 191,1023 209,1023 ; 191,1024 209,1024 ; 191,1025 209,1025 ; 191,1595 524,1595 ; 192,1018 208,1018 ; 192,1019 208,1019 ; 192,1020 209,1020 ; 192,1021 209,1021 ; 192,1593 522,1593 ; 192,1594 523,1594 ; 193,1013 208,1013 ; 193,1014 208,1014 ; 193,1015 208,1015 ; 193,1016 208,1016 ; 193,1017 208,1017 ; 193,1592 521,1592 ; 194,1007 207,1007 ; 194,1008 207,1008 ; 194,1009 207,1009 ; 194,1010 207,1010 ; 194,1011 208,1011 ; 194,1012 208,1012 ; 194,1591 520,1591 ; 195,1001 207,1001 ; 195,1002 207,1002 ; 195,1003 207,1003 ; 195,1004 207,1004 ; 195,1005 207,1005 ; 195,1006 207,1006 ; 195,1590 519,1590 ; 196,995 206,995 ; 196,996 206,996 ; 196,997 206,997 ; 196,998 206,998 ; 196,999 206,999 ; 196,1000 207,1000 ; 196,1588 518,1588 ; 196,1589 519,1589 ; 197,994 206,994 ; 197,1587 518,1587 ; 198,991 206,991 ; 198,992 206,992 ; 198,993 206,993 ; 198,1586 518,1586 ; 199,988 206,988 ; 199,989 206,989 ; 199,990 206,990 ; 199,1585 517,1585 ; 200,986 205,986 ; 200,987 206,987 ; 200,1583 516,1583 ; 200,1584 517,1584 ; 201,983 205,983 ; 201,984 205,984 ; 201,985 205,985 ; 201,1582 515,1582 ; 202,977 205,977 ; 202,978 205,978 ; 202,979 205,979 ; 202,980 205,980 ; 202,981 205,981 ; 202,982 205,982 ; 202,1581 514,1581 ; 203,972 205,972 ; 203,973 205,973 ; 203,974 205,974 ; 203,975 205,975 ; 203,976 205,976 ; 203,1580 513,1580 ; 204,967 205,967 ; 204,968 205,968 ; 204,969 205,969 ; 204,970 205,970 ; 204,971 205,971 ; 204,1578 511,1578 ; 204,1579 512,1579 ; 205,964 206,964 ; 205,965 206,965 ; 205,966 206,966 ; 205,1577 510,1577 ; 206,1576 509,1576 ; 207,1575 508,1575 ; 208,1573 506,1573 ; 208,1574 507,1574 ; 209,1572 505,1572 ; 210,1571 504,1571 ; 211,1569 502,1569 ; 211,1570 503,1570 ; 212,1568 501,1568 ; 213,1566 499,1566 ; 213,1567 500,1567 ; 214,1565 498,1565